# Altium PCB Kasli-DIOT.PCBDOC (part 3 of 21)
Units mm, origin at the board's own origin, x right, y up, seen from the top; angles counter-clockwise.
Board outline 222.34 x 100 mm, 10 copper layers (TopLayer, Layer 2, Layer 3, Layer 4, Layer 5, Layer 6, Layer 7, layer 8, Layer 9, BottomLayer), stack 1.564 mm thick; 974 components, 908 nets, 4662 pads, 2649 vias.
Unrouted connection lines stored in the file: 17.
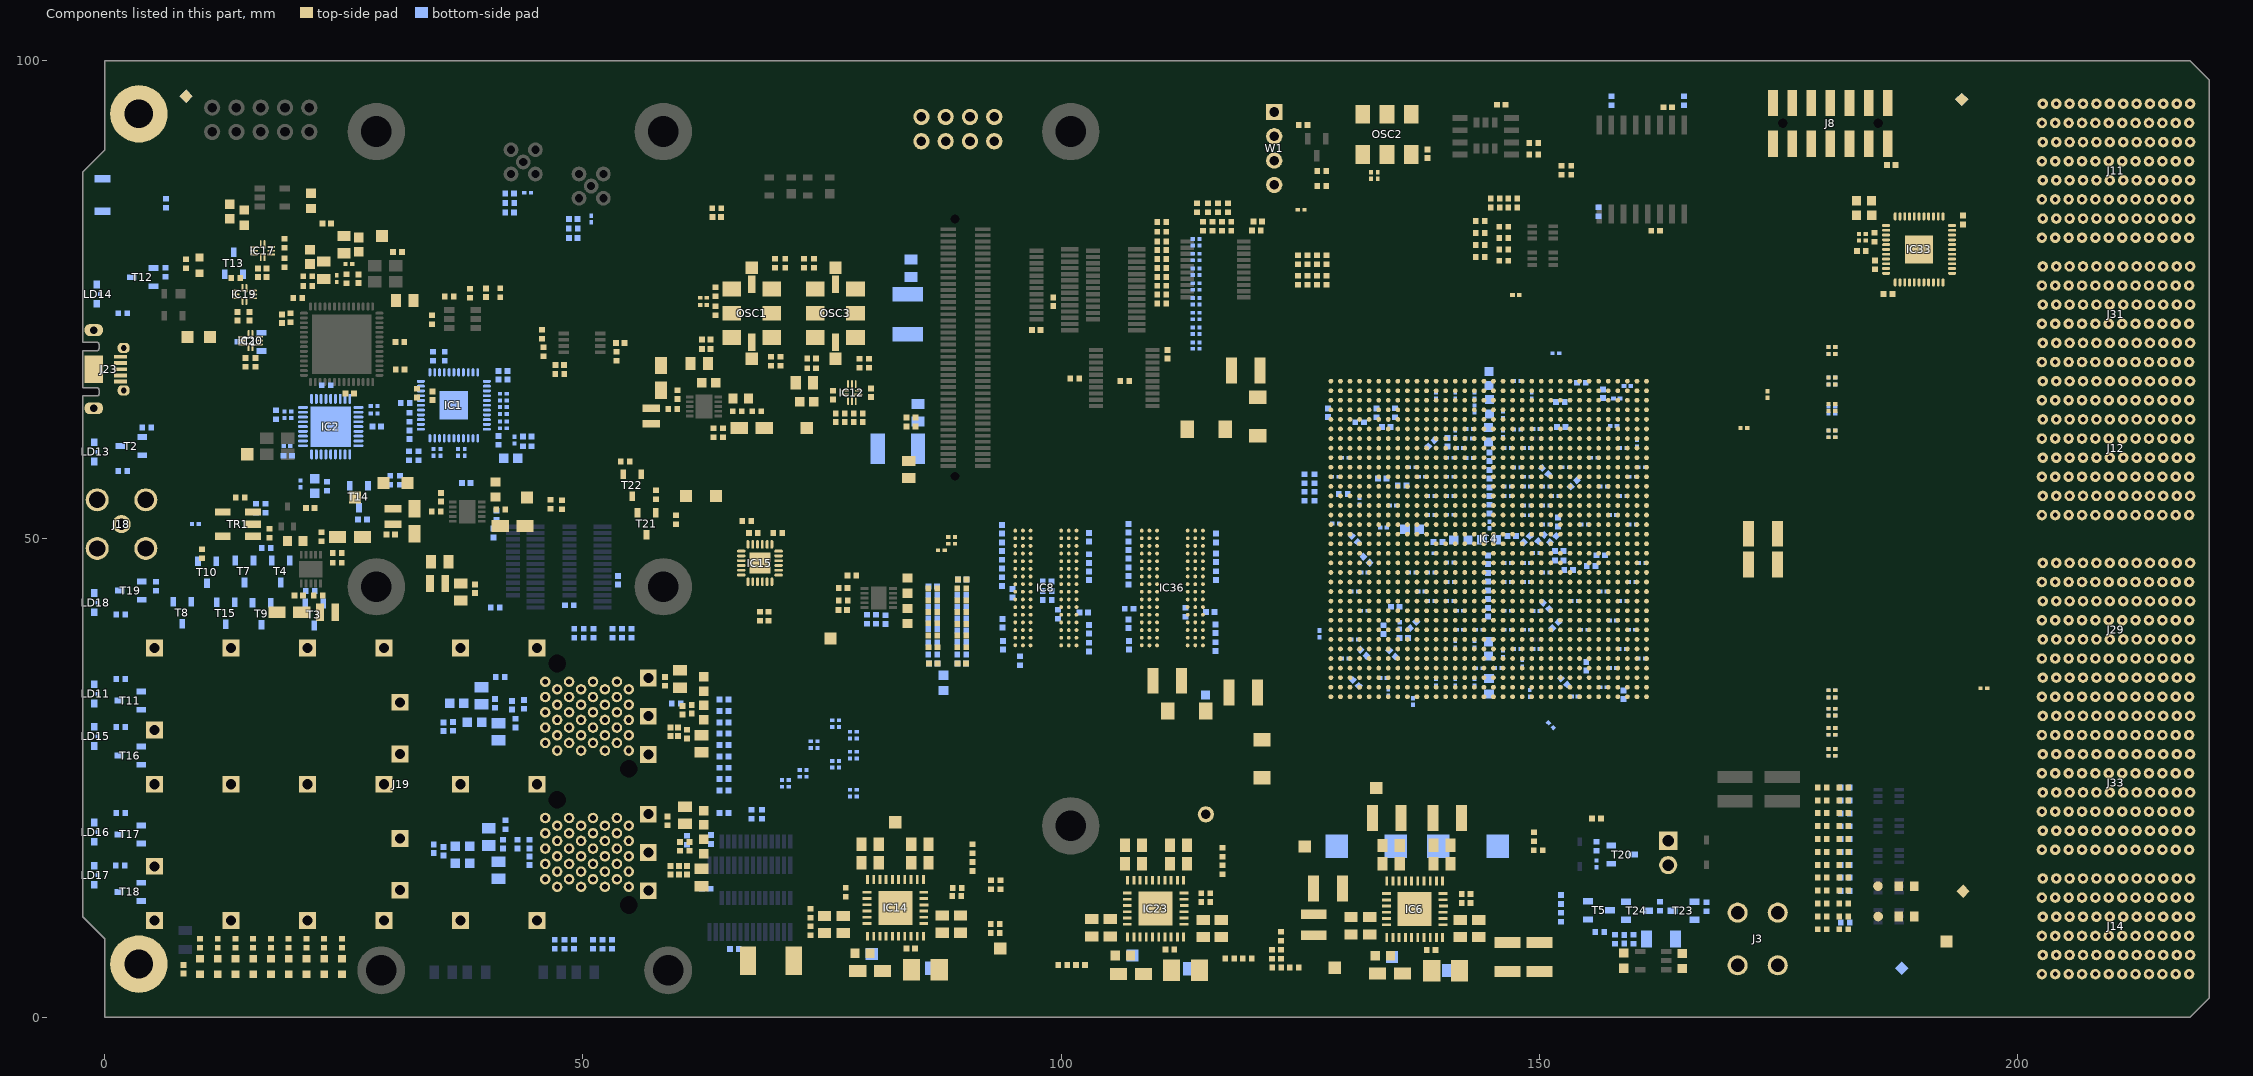
[diagram p11: the components of this part, seen from the top]

## Components (designator, comment, footprint, x,y, rotation, side; value= is the part's Value field where it differs from the comment) (continued)
R166 "10k" RESC1005X40N 124.76,77.07 r90 top
R167 "10k" RESC1005X40N 125.76,77.07 r90 top
R168 "10k" RESC1005X40N 126.76,77.07 r90 top
R169 "10k" RESC1005X40N 127.76,77.07 r90 top
R170 "10k" RESC1005X40N 145.405,84.643 r180 top
R171 "10k" RESC1005X40N 145.405,85.618 r180 top
R172 "10k" RESC1005X40N 147.205,84.643 r180 top
R173 "10k" RESC1005X40N 147.205,85.618 r180 top
R174 "10k" RESC1005X40N 41.9,20.1 r90 bottom
R175 "0" RESC1005X40N 68.699,21.21 r90 bottom
R176 "10k" RESC1005X40N 68.514,41.917 r270 top
R177 "10k" RESC1005X40N 69.4,41.917 r270 top
R178 "47k" RESC1005X40N 117.786,82.709 r90 top
R179 "47k" RESC1005X40N 117.425,84.613 r90 top
R180 "47k" RESC1005X40N 116.798,82.709 r90 top
R181 "47k" RESC1005X40N 116.384,84.613 r90 top
R182 "47k" RESC1005X40N 115.811,82.709 r90 top
R183 "10k" RESC1005X40N 64.745,27.266 r0 bottom
R184 "10k" RESC1005X40N 64.745,29.642 r0 bottom
R185 "10k" RESC1005X40N 55.086,40.145 r90 bottom
R186 "10k" RESC1005X40N 53.086,40.145 r90 bottom
R187 "10k" RESC1005X40N 47.052,7.605 r270 bottom
R188 "10k" RESC1005X40N 49.052,7.605 r270 bottom
R189 "10k" RESC1005X40N 46.6,53.625 r270 top
R190 "10k" RESC1005X40N 47.825,53.6 r270 top
R191 "47k" RESC1005X40N 115.333,84.613 r90 top
R192 "47k" RESC1005X40N 114.823,82.709 r90 top
R193 "10k" RESC1005X40N 64.745,24.89 r180 bottom
R194 "10k" RESC1005X40N 13.7,77.3 r0 top
R195 "10k" RESC1005X40N 18.796,80.899 r90 top
R196 "10k" RESC1005X40N 18.796,78.867 r270 top
R197 "10k" RESC1005X40N 20.193,75.184 r180 top
R198 "10k" RESC1005X40N 19.431,73.152 r270 top
R199 "12k" RESC1005X40N 25.273,77.216 r270 top
R200 "2k2" RESC1005X40N 21.209,76.454 r0 top
R201 "10k" RESC1005X40N 21.209,77.47 r0 top
R202 "10k" RESC1005X40N 34.225,72.925 r270 top
R203 "10k" RESC1005X40N 38.175,75.7 r90 top
R204 "10k" RESC1005X40N 41.35,75.75 r90 top
R205 "2k2" RESC1005X40N 36,75.347 r0 top
R206 "10k" RESC1005X40N 45.714,71.425 r90 top
R207 "10k" RESC1005X40N 45.885,69.571 r270 top
R208 "2k2" RESC1005X40N 53.5,69.1 r90 top
R209 "10k" RESC1005X40N 26.95,52.05 r0 bottom
R210 "10k" RESC1005X40N 126.47,54.456 r90 bottom
R211 "10k" RESC1005X40N 125.429,54.456 r90 bottom
R212 "47k" RESC1005X40N 114.224,84.613 r90 top
R213 "10k" RESC1005X40N 50.086,40.145 r270 bottom
R214 "0" RESC1005X40N 10.173,48.475 r90 top
R215 "10k" RESC1005X40N 64.745,23.702 r180 bottom
R216 "240" RESC1005X40N 1.65,21.35 r180 bottom
R217 "10k" RESC1005X40N 64.745,21.326 r0 bottom
R218 "10k" RESC1005X40N 53.052,7.605 r270 bottom
R219 "10k" RESC1005X40N 60.9,18.496 r90 bottom
R220 "240" RESC1005X40N 1.62,15.85 r180 bottom
R221 "1k" RESC1005X40N 110.522,81.121 r0 top
R222 "10k" RESC1005X40N 52.052,7.605 r90 bottom
R223 "10k" RESC1005X40N 51.052,7.605 r90 bottom
R224 "1k" RESC1005X40N 110.522,80.193 r0 top
R225 "10k" RESC1005X40N 84.3,62.69 r180 top
R226 "240" RESC1005X40N 1.65,42.1 r0 bottom
R227 "2k2" RESC1005X40N 5.375,45.075 r90 bottom
R228 "1k" RESC1005X40N 110.522,79.264 r0 top
R229 "1k" RESC1005X40N 110.522,78.336 r0 top
R230 "1k" RESC1005X40N 110.522,82.12 r0 top
R231 "1k" RESC1005X40N 101.398,66.793 r0 top
R232 "1k" RESC1005X40N 110.522,77.407 r0 top
R233 "1k" RESC1005X40N 110.522,76.478 r0 top
R234 "1k" RESC1005X40N 110.522,75.55 r0 top
R235 "1k" RESC1005X40N 110.522,74.621 r0 top
R236 "0" RESC1005X40N 29.85,56.15 r90 bottom
R237 "0" RESC1005X40N 30.851,56.15 r90 bottom
R238 "0" RESC1005X40N 106.647,66.515 r0 top
R239 "0" RESC1005X40N 146.294,79.093 r0 top
R241 "200k" RESC1005X40N 47.582,67.233 r180 top
R242 "10k" RESC1005X40N 31.8,58.7 r270 bottom
R243 "10k" RESC1005X40N 32.8,58.7 r90 bottom
R244 "10k" RESC1005X40N 76.9,63.1 r180 top
R245 "10k" RESC1005X40N 78.775,63.1 r0 top
R246 "10k" RESC1005X40N 76.9,62.225 r0 top
R247 "10k" RESC1005X40N 78.775,62.225 r180 top
R248 "430k" RESC1005X40N 64.65,61.1 r270 top
R249 "0" RESC1005X40N 146.294,80.276 r0 top
R250 "82k" RESC1005X40N 24.303,48.515 r0 top
R251 "82k" RESC1005X40N 63.65,61.1 r90 top
R252 "10k" RESC1005X40N 24.303,47.515 r0 top
R253 "0" RESC1005X40N 34.65,52.85 r0 top
R254 "82k" RESC1005X40N 40.943,52.477 r90 bottom
R255 "33k" RESC1005X40N 41.4,53.1 r180 top
R256 "10k" RESC1005X40N 40.625,50.625 r270 bottom
R257 "0" RESC1005X40N 143.801,83.227 r0 top
R258 "1k" RESC1005X40N 167.48,11.558 r270 bottom
R259 "1k" RESC1005X40N 162.625,11.575 r90 bottom
R260 "10k" RESC1005X40N 159.85,8.145 r270 bottom
R261 "10k" RESC1005X40N 156.325,8.925 r180 bottom
R262 "22" RESC1005X40N 182,14.6 r0 bottom
R263 "22" RESC1005X40N 182,15.921 r0 bottom
R264 "10k" RESC1005X40N 149.4,90.2 r0 top
R265 "10k" RESC1005X40N 149.4,91.4 r0 top
R266 "22" RESC1005X40N 182,18.614 r0 bottom
R267 "22" RESC1005X40N 182,22.654 r0 bottom
R268 "22" RESC1005X40N 181.845,24.023 r0 top
R269 "22" RESC1005X40N 181.845,22.674 r0 top
R270 "22" RESC1005X40N 182,19.961 r0 bottom
R271 "22" RESC1005X40N 182,17.268 r0 bottom
R272 "22" RESC1005X40N 182,13.2 r0 bottom
R273 "100" RESC1005X40N 185.025,81.55 r90 top
R274 "0" RESC1005X40N 143.801,79.478 r0 top
R275 "0" RESC1005X40N 146.294,81.459 r0 top
R276 "22" RESC1005X40N 181.845,21.326 r0 top
R277 "22" RESC1005X40N 182,9.9 r0 bottom
R278 "22" RESC1005X40N 181.845,11.888 r0 top
R279 "22" RESC1005X40N 181.845,19.978 r0 top
R280 "22" RESC1005X40N 181.845,18.629 r0 top
R281 "22" RESC1005X40N 181.845,17.281 r0 top
R282 "22" RESC1005X40N 181.845,9.191 r0 top
R283 "22" RESC1005X40N 181.845,13.236 r0 top
R284 "22" RESC1005X40N 181.845,15.933 r0 top
R285 "22" RESC1005X40N 181.845,14.584 r0 top
R286 "22" RESC1005X40N 181.845,10.539 r0 top
R287 "22" RESC1005X40N 182,21.307 r0 bottom
R288 "22" RESC1005X40N 182,24 r0 bottom
R289 "10k" RESC1005X40N 6.4,85.1 r90 bottom
R290 "0" RESC1005X40N 143.801,80.728 r0 top
R291 "0" RESC1005X40N 143.801,81.978 r0 top
R292 "0" RESC1005X40N 155.971,20.756 r0 top
R295 "2k21" RESC1608X55N 188.392,10.526 r0 top
R296 "2k21" RESC1608X55N 188.392,13.672 r0 top
R298 "39" RESC1005X40N 98.525,43.625 r180 bottom
R300 "4k7" RESC1005X40N 179.595,10.539 r180 top
R304 "200" RESC1005X40N 63.854,73.875 r90 top
R305 "200" RESC1005X40N 63.86,75.847 r270 top
SW1 "Switch" SW_OMRON_B3U-3000PM -0.225,85.962 r90 bottom
T1 "BSH103" SOT95P230X110-3N 15.24,70.612 r180 bottom
T2 "BSH103" SOT95P230X110-3N 2.753,59.712 r180 bottom
T3 "BSH103" SOT95P230X110-3N 21.9,42.1 r270 bottom
T4 "BSH103" SOT95P230X110-3N 18.4,46.6 r270 bottom
T5 "BSS138LT1G" SOT95P240X110-3N 156.25,11.175 r0 bottom
T7 "BSH103" SOT95P230X110-3N 14.6,46.6 r270 bottom
T8 "BSH103" SOT95P230X110-3N 8.1,42.3 r270 bottom
T9 "BSH103" SOT95P230X110-3N 16.4,42.2 r270 bottom
T10 "BSH103" SOT95P230X110-3N 10.7,46.5 r270 bottom
T11 "BSH103" SOT95P230X110-3N 2.65,33.1 r180 bottom
T12 "BSH103" SOT95P230X110-3N 3.95,77.375 r180 bottom
T13 "BSH103" SOT95P230X110-3N 13.5,78.825 r90 bottom
T14 "BSH103" SOT95P230X110-3N 26.575,54.425 r270 bottom
T15 "BSH103" SOT95P230X110-3N 12.65,42.25 r270 bottom
T16 "BSH103" SOT95P230X110-3N 2.65,27.35 r180 bottom
T17 "BSH103" SOT95P230X110-3N 2.65,19.1 r180 bottom
T18 "BSH103" SOT95P230X110-3N 2.65,13.1 r180 bottom
T19 "BSH103" SOT95P230X110-3N 2.701,44.6 r180 bottom
T20 "BSH103" SOT95P230X110-3N 158.65,17 r0 bottom
T21 "BSH103" SOT95P230X110-3N 56.65,51.6 r270 top
T22 "BSH103" SOT95P230X110-3N 55.15,55.6 r270 top
T23 "BSS138LT1G" SOT95P240X110-3N 165.05,11.125 r180 bottom
T24 "BSS138LT1G" SOT95P240X110-3N 160.2,11.125 r0 bottom
TP1 "Test Point" TPS127 14.9,58.85 r0 top
TP2 "Test Point" TPS127 29.15,55.85 r0 top
TP3 "Test Point" TPS127 31.65,55.85 r0 top
TP4 "Test Point" TPS127 73.4,61.6 r270 top
TP5 "Test Point" TPS127 134.602,6.29 r90 bottom
TP6 "Test Point" TPS127 192.575,7.925 r270 top
TP7 "Test Point" TPS127 75.879,39.585 r0 top
TP8 "Test Point" TPS127 82.65,20.375 r90 top
TP9 "Test Point" TPS127 132.95,23.975 r90 top
TP10 "Test Point" TPS127 93.631,7.175 r90 top
TP11 "Test Point" TPS127 125.475,17.85 r180 top
TP12 "Test Point" TPS127 128.6,5.175 r180 top
TP15 "Test Point" TPS127 29,81.675 r90 top
TP16 "Test Point" TPS127 11,71.1 r90 top
TP17 "Test Point" TPS127 8.65,71.1 r90 top
TP18 "Test Point" TPS127 60.768,54.475 r90 top
TP19 "Test Point" TPS127 63.918,54.475 r90 top
TP20 "Test Point" TPS127 26.15,54.35 r90 top
TP21 "Test Point" TPS127 67.65,68.85 r90 top
TP22 "Test Point" TPS127 67.65,78.35 r90 top
TP23 "Test Point" TPS127 76.4,68.85 r270 top
TP24 "Test Point" TPS127 76.4,78.35 r270 top
TP25 "Test Point" TPS127 44.15,54.35 r0 top
TP26 "Plated Hole" c170h100 90.465,91.585 r0 top
TP27 "Plated Hole" c170h100 87.925,91.585 r0 top
TP28 "Plated Hole" c170h100 93.005,94.125 r0 top
TP29 "Plated Hole" c170h100 90.465,94.125 r0 top
TP30 "Plated Hole" c170h100 87.925,94.125 r0 top
TP31 "Plated Hole" c170h100 93.005,91.585 r270 top
TP32 "Plated Hole" c170h100 85.385,94.125 r0 top
TP33 "Plated Hole" c170h100 85.385,91.585 r180 top
TP34 "Test Point" TPS127 80.2,6.6 r0 bottom
TP35 "Plated Hole" c170h100 115.125,21.209 r0 top
TP36 "Test Point" TPS127 107.457,6.45 r180 bottom
TR1 "1:2" XFMR_MINI-CIRCUITS_AT1521 13.925,51.542 r270 top
W1 "Header 4" SAMTEC_HTSW-104-23-L-S 122.275,94.64 r270 top
WASHER1 "D11.1xd6.6" Keystone_7687 -70.334,90.935 r0 top
WASHER2 "D11.1xd6.6" Keystone_7687 -67.259,90.935 r0 top

## Footprints (in the part's own frame and the unit in brackets; to place one, negate y for a bottom-side part, rotate by r counter-clockwise, add the part's x,y. Pads: shape width x height; smd on the part's side, far side on the other; paste and mask are expansions set on the pad)
AMPHENOL_919-383J-51A [mm] "50 Ohm, RF Connector, MCX Right Angle PCB Receptacle Jack"
  round 1.9 hole 1.2: 1(0,0)
  round 2.4 hole 1.7: 2(-2.54,2.54) 2(-2.54,-2.54) 2(2.54,2.54) 2(2.54,-2.54)
  silkscreen extent -3,-3 6.5,3, body extent -3,-3 6.5,3, height 6
AMPHENOL_10052824-101LF [mm] "72 Contacts, 2mm Pitch, 6 Columns, 4 Pairs per Column, 2 Walls, Right Angle Header"
  round 1.1 hole 0.5: A1(-5,-7.65) A2(-3,-7.75) A3(-1,-7.65) A4(1,-7.75) A5(3,-7.65) A6(5,-7.75) B1(-5,-6.25) B2(-3,-6.35) B3(-1,-6.25) B4(1,-6.35) B5(3,-6.25) B6(5,-6.35) C1(-5,-4.85) C2(-3,-4.95) C3(-1,-4.85) C4(1,-4.95) C5(3,-4.85) C6(5,-4.95) D1(-5,-3.45) D2(-3,-3.55) D3(-1,-3.45) D4(1,-3.55) D5(3,-3.45) D6(5,-3.55) E1(-5,-2.05) E2(-3,-2.15) E3(-1,-2.05) E4(1,-2.15) E5(3,-2.05) E6(5,-2.15) F1(-5,-0.65) F2(-3,-0.75) F3(-1,-0.65) F4(1,-0.75) F5(3,-0.65) F6(5,-0.75) G1(-5,0.75) G2(-3,0.65) G3(-1,0.75) G4(1,0.65) G5(3,0.75) G6(5,0.65) H1(-5,2.15) H2(-3,2.05) H3(-1,2.15) H4(1,2.05) H5(3,2.15) H6(5,2.05) I1(-5,3.55) I2(-3,3.45) I3(-1,3.55) I4(1,3.45) I5(3,3.55) I6(5,3.45) J1(-5,4.95) J2(-3,4.85) J3(-1,4.95) J4(1,4.85) J5(3,4.95) J6(5,4.85) K1(-5,6.35) K2(-3,6.25) K3(-1,6.35) K4(1,6.25) K5(3,6.35) K6(5,6.25) L1(-5,7.75) L2(-3,7.65) L3(-1,7.75) L4(1,7.65) L5(3,7.75) L6(5,7.65)
  silkscreen extent -5.95,-21.95 5.95,11.85, body extent -5.95,-21.95 5.95,11.85, height 15.25
AMPHENOL_10052825-101LF [mm] "72 Contacts, 2mm Pitch, 6 Columns, 4 Pairs per Column, 4 Walls, Right Angle Header"
  round 1.1 hole 0.5: A1(-5,-7.65) A2(-3,-7.75) A3(-1,-7.65) A4(1,-7.75) A5(3,-7.65) A6(5,-7.75) B1(-5,-6.25) B2(-3,-6.35) B3(-1,-6.25) B4(1,-6.35) B5(3,-6.25) B6(5,-6.35) C1(-5,-4.85) C2(-3,-4.95) C3(-1,-4.85) C4(1,-4.95) C5(3,-4.85) C6(5,-4.95) D1(-5,-3.45) D2(-3,-3.55) D3(-1,-3.45) D4(1,-3.55) D5(3,-3.45) D6(5,-3.55) E1(-5,-2.05) E2(-3,-2.15) E3(-1,-2.05) E4(1,-2.15) E5(3,-2.05) E6(5,-2.15) F1(-5,-0.65) F2(-3,-0.75) F3(-1,-0.65) F4(1,-0.75) F5(3,-0.65) F6(5,-0.75) G1(-5,0.75) G2(-3,0.65) G3(-1,0.75) G4(1,0.65) G5(3,0.75) G6(5,0.65) H1(-5,2.15) H2(-3,2.05) H3(-1,2.15) H4(1,2.05) H5(3,2.15) H6(5,2.05) I1(-5,3.55) I2(-3,3.45) I3(-1,3.55) I4(1,3.45) I5(3,3.55) I6(5,3.45) J1(-5,4.95) J2(-3,4.85) J3(-1,4.95) J4(1,4.85) J5(3,4.95) J6(5,4.85) K1(-5,6.35) K2(-3,6.25) K3(-1,6.35) K4(1,6.25) K5(3,6.35) K6(5,6.25) L1(-5,7.75) L2(-3,7.65) L3(-1,7.75) L4(1,7.65) L5(3,7.75) L6(5,7.65)
  silkscreen extent -6.95,-21.95 6.95,11.85, body extent -6.95,-21.95 6.95,11.85, height 15.25
AMPHENOL_10052837-101LF [mm] "96 Contacts, 2mm Pitch, 8 Columns, 4 Pairs per Column, 2 Walls, Right Angle Header"
  round 1.1 hole 0.5: A1(-7,-7.65) A2(-5,-7.75) A3(-3,-7.65) A4(-1,-7.75) A5(1,-7.65) A6(3,-7.75) A7(5,-7.65) A8(7,-7.75) B1(-7,-6.25) B2(-5,-6.35) B3(-3,-6.25) B4(-1,-6.35) B5(1,-6.25) B6(3,-6.35) B7(5,-6.25) B8(7,-6.35) C1(-7,-4.85) C2(-5,-4.95) C3(-3,-4.85) C4(-1,-4.95) C5(1,-4.85) C6(3,-4.95) C7(5,-4.85) C8(7,-4.95) D1(-7,-3.45) D2(-5,-3.55) D3(-3,-3.45) D4(-1,-3.55) D5(1,-3.45) D6(3,-3.55) D7(5,-3.45) D8(7,-3.55) E1(-7,-2.05) E2(-5,-2.15) E3(-3,-2.05) E4(-1,-2.15) E5(1,-2.05) E6(3,-2.15) E7(5,-2.05) E8(7,-2.15) F1(-7,-0.65) F2(-5,-0.75) F3(-3,-0.65) F4(-1,-0.75) F5(1,-0.65) F6(3,-0.75) F7(5,-0.65) F8(7,-0.75) G1(-7,0.75) G2(-5,0.65) G3(-3,0.75) G4(-1,0.65) G5(1,0.75) G6(3,0.65) G7(5,0.75) G8(7,0.65) H1(-7,2.15) H2(-5,2.05) H3(-3,2.15) H4(-1,2.05) H5(1,2.15) H6(3,2.05) H7(5,2.15) H8(7,2.05) I1(-7,3.55) I2(-5,3.45) I3(-3,3.55) I4(-1,3.45) I5(1,3.55) I6(3,3.45) I7(5,3.55) I8(7,3.45) J1(-7,4.95) J2(-5,4.85) J3(-3,4.95) J4(-1,4.85) J5(1,4.95) J6(3,4.85) J7(5,4.95) J8(7,4.85) K1(-7,6.35) K2(-5,6.25) K3(-3,6.35) K4(-1,6.25) K5(1,6.35) K6(3,6.25) K7(5,6.35) K8(7,6.25) L1(-7,7.75) L2(-5,7.65) L3(-3,7.75) L4(-1,7.65) L5(1,7.75) L6(3,7.65) L7(5,7.75) L8(7,7.65)
  silkscreen extent -7.95,-21.95 7.95,11.85, body extent -7.95,-21.95 7.95,11.85, height 15.25
AMPHENOL_10052838-101LF [mm] "96 Contacts, 2mm Pitch, 8 Columns, 4 Pairs per Column, 4 Walls, Right Angle Header"
  round 1.1 hole 0.5: A1(-7,-7.65) A2(-5,-7.75) A3(-3,-7.65) A4(-1,-7.75) A5(1,-7.65) A6(3,-7.75) A7(5,-7.65) A8(7,-7.75) B1(-7,-6.25) B2(-5,-6.35) B3(-3,-6.25) B4(-1,-6.35) B5(1,-6.25) B6(3,-6.35) B7(5,-6.25) B8(7,-6.35) C1(-7,-4.85) C2(-5,-4.95) C3(-3,-4.85) C4(-1,-4.95) C5(1,-4.85) C6(3,-4.95) C7(5,-4.85) C8(7,-4.95) D1(-7,-3.45) D2(-5,-3.55) D3(-3,-3.45) D4(-1,-3.55) D5(1,-3.45) D6(3,-3.55) D7(5,-3.45) D8(7,-3.55) E1(-7,-2.05) E2(-5,-2.15) E3(-3,-2.05) E4(-1,-2.15) E5(1,-2.05) E6(3,-2.15) E7(5,-2.05) E8(7,-2.15) F1(-7,-0.65) F2(-5,-0.75) F3(-3,-0.65) F4(-1,-0.75) F5(1,-0.65) F6(3,-0.75) F7(5,-0.65) F8(7,-0.75) G1(-7,0.75) G2(-5,0.65) G3(-3,0.75) G4(-1,0.65) G5(1,0.75) G6(3,0.65) G7(5,0.75) G8(7,0.65) H1(-7,2.15) H2(-5,2.05) H3(-3,2.15) H4(-1,2.05) H5(1,2.15) H6(3,2.05) H7(5,2.15) H8(7,2.05) I1(-7,3.55) I2(-5,3.45) I3(-3,3.55) I4(-1,3.45) I5(1,3.55) I6(3,3.45) I7(5,3.55) I8(7,3.45) J1(-7,4.95) J2(-5,4.85) J3(-3,4.95) J4(-1,4.85) J5(1,4.95) J6(3,4.85) J7(5,4.95) J8(7,4.85) K1(-7,6.35) K2(-5,6.25) K3(-3,6.35) K4(-1,6.25) K5(1,6.35) K6(3,6.25) K7(5,6.35) K8(7,6.25) L1(-7,7.75) L2(-5,7.65) L3(-3,7.75) L4(-1,7.65) L5(1,7.75) L6(3,7.65) L7(5,7.75) L8(7,7.65)
  silkscreen extent -8.95,-21.95 8.95,11.85, body extent -8.95,-21.95 8.95,11.85, height 15.25
AMPHENOL_U77A11108000P [mm] "Plastic Dust Cover SFP Cage"
  silkscreen extent -4,-6.82 4.9,7.87, body extent -4.03,-6.82 4.9,7.87, height 5.1
AMPHENOL_UE78B212700321 [mm] "SFP 2x2 Press Fit Cage with 4x20 Positions Integrated Receptacles"
  round 1.1 hole 0.6: LB1(-1.25,3.52) LB2(-2.5,4.32) LB3(-1.25,5.12) LB4(-2.5,5.92) LB5(-1.25,6.72) LB6(-2.5,7.52) LB7(-1.25,8.32) LB8(-2.5,9.12) LB9(-1.25,9.92) LB10(-2.5,10.72) LB11(-5,10.72) LB12(-3.75,9.92) LB13(-5,9.12) LB14(-3.75,8.32) LB15(-5,7.52) LB16(-3.75,6.72) LB17(-5,5.92) LB18(-3.75,5.12) LB19(-5,4.32) LB20(-3.75,3.52) LT1(0,10.72) LT2(1.25,9.92) LT3(0,9.12) LT4(1.25,8.32) LT5(0,7.52) LT6(1.25,6.72) LT7(0,5.92) LT8(1.25,5.12) LT9(0,4.32) LT10(1.25,3.52) LT11(3.75,3.52) LT12(2.5,4.32) LT13(3.75,5.12) LT14(2.5,5.92) LT15(3.75,6.72) LT16(2.5,7.52) LT17(3.75,8.32) LT18(2.5,9.12) LT19(3.75,9.92) LT20(2.5,10.72) RB1(-1.25,-10.73) RB2(-2.5,-9.93) RB3(-1.25,-9.13) RB4(-2.5,-8.33) RB5(-1.25,-7.53) RB6(-2.5,-6.73) RB7(-1.25,-5.93) RB8(-2.5,-5.13) RB9(-1.25,-4.33) RB10(-2.5,-3.53) RB11(-5,-3.53) RB12(-3.75,-4.33) RB13(-5,-5.13) RB14(-3.75,-5.93) RB15(-5,-6.73) RB16(-3.75,-7.53) RB17(-5,-8.33) RB18(-3.75,-9.13) RB19(-5,-9.93) RB20(-3.75,-10.73) RT1(0,-3.53) RT2(1.25,-4.33) RT3(0,-5.13) RT4(1.25,-5.93) RT5(0,-6.73) RT6(1.25,-7.53) RT7(0,-8.33) RT8(1.25,-9.13) RT9(0,-9.93) RT10(1.25,-10.73) RT11(3.75,-10.73) RT12(2.5,-9.93) RT13(3.75,-9.13) RT14(2.5,-8.33) RT15(3.75,-7.53) RT16(2.5,-6.73) RT17(3.75,-5.93) RT18(2.5,-5.13) RT19(3.75,-4.33) RT20(2.5,-3.53)
  round 0.5 hole 1.85 unplated: MECH1(-3.75,12.62) MECH2(3.75,1.62) MECH3(-3.75,-1.63) MECH4(3.75,-12.63)
  rect 1.75x1.75 hole 1.05: SHIELD(-45.85,-14.25) SHIELD(-45.85,-8.58) SHIELD(-45.85,0) SHIELD(-45.85,5.67) SHIELD(-45.85,14.25) SHIELD(-37.85,-14.25) SHIELD(-37.85,0) SHIELD(-37.85,14.25) SHIELD(-29.85,-14.25) SHIELD(-29.85,0) SHIELD(-29.85,14.25) SHIELD(-21.85,-14.25) SHIELD(-21.85,0) SHIELD(-21.85,14.25) SHIELD(-20.17,-11.08) SHIELD(-20.17,-5.68) SHIELD(-20.17,3.17) SHIELD(-20.17,8.57) SHIELD(-13.85,-14.25) SHIELD(-13.85,0) SHIELD(-13.85,14.25) SHIELD(-5.85,-14.25) SHIELD(-5.85,0) SHIELD(-5.85,14.25) SHIELD(5.78,-11.13) SHIELD(5.78,-7.13) SHIELD(5.78,-3.13) SHIELD(5.78,3.12) SHIELD(5.78,7.12) SHIELD(5.78,11.12)
  silkscreen extent -57.35,-15.32 5.9,15.31, body extent -57.35,-15.32 5.9,15.31, height 26.39
BGA96C80P9X16_800X1400X120 [mm] "BGA, 0.80mm Pitch, Rect.; 96 Pin, 9 Columns X 16 Rows, 8.00mm X 14.00mm X 1.20mm H"
  round 0.4 smd: A1(-3.2,6) A2(-2.4,6) A3(-1.6,6) A7(1.6,6) A8(2.4,6) A9(3.2,6) B1(-3.2,5.2) B2(-2.4,5.2) B3(-1.6,5.2) B7(1.6,5.2) B8(2.4,5.2) B9(3.2,5.2) C1(-3.2,4.4) C2(-2.4,4.4) C3(-1.6,4.4) C7(1.6,4.4) C8(2.4,4.4) C9(3.2,4.4) D1(-3.2,3.6) D2(-2.4,3.6) D3(-1.6,3.6) D7(1.6,3.6) D8(2.4,3.6) D9(3.2,3.6) E1(-3.2,2.8) E2(-2.4,2.8) E3(-1.6,2.8) E7(1.6,2.8) E8(2.4,2.8) E9(3.2,2.8) F1(-3.2,2) F2(-2.4,2) F3(-1.6,2) F7(1.6,2) F8(2.4,2) F9(3.2,2) G1(-3.2,1.2) G2(-2.4,1.2) G3(-1.6,1.2) G7(1.6,1.2) G8(2.4,1.2) G9(3.2,1.2) H1(-3.2,0.4) H2(-2.4,0.4) H3(-1.6,0.4) H7(1.6,0.4) H8(2.4,0.4) H9(3.2,0.4) J1(-3.2,-0.4) J2(-2.4,-0.4) J3(-1.6,-0.4) J7(1.6,-0.4) J8(2.4,-0.4) J9(3.2,-0.4) K1(-3.2,-1.2) K2(-2.4,-1.2) K3(-1.6,-1.2) K7(1.6,-1.2) K8(2.4,-1.2) K9(3.2,-1.2) L1(-3.2,-2) L2(-2.4,-2) L3(-1.6,-2) L7(1.6,-2) L8(2.4,-2) L9(3.2,-2) M1(-3.2,-2.8) M2(-2.4,-2.8) M3(-1.6,-2.8) M7(1.6,-2.8) M8(2.4,-2.8) M9(3.2,-2.8) N1(-3.2,-3.6) N2(-2.4,-3.6) N3(-1.6,-3.6) N7(1.6,-3.6) N8(2.4,-3.6) N9(3.2,-3.6) P1(-3.2,-4.4) P2(-2.4,-4.4) P3(-1.6,-4.4) P7(1.6,-4.4) P8(2.4,-4.4) P9(3.2,-4.4) R1(-3.2,-5.2) R2(-2.4,-5.2) R3(-1.6,-5.2) R7(1.6,-5.2) R8(2.4,-5.2) R9(3.2,-5.2) T1(-3.2,-6) T2(-2.4,-6) T3(-1.6,-6) T7(1.6,-6) T8(2.4,-6) T9(3.2,-6)
  silkscreen extent -4.72,-7 4,7, body extent -4.07,-7.07 4.08,7.08, height 1.2
BGA1156C100P34X34_3500X3500X310 [mm] "BGA, 1.00mm Pitch, Square; 1156 Pin, 34 Columns X 34 Rows, 35.00mm X 35.00mm X 3.10mm H"